# KiCad board CPU.kicad_pcb (continued)
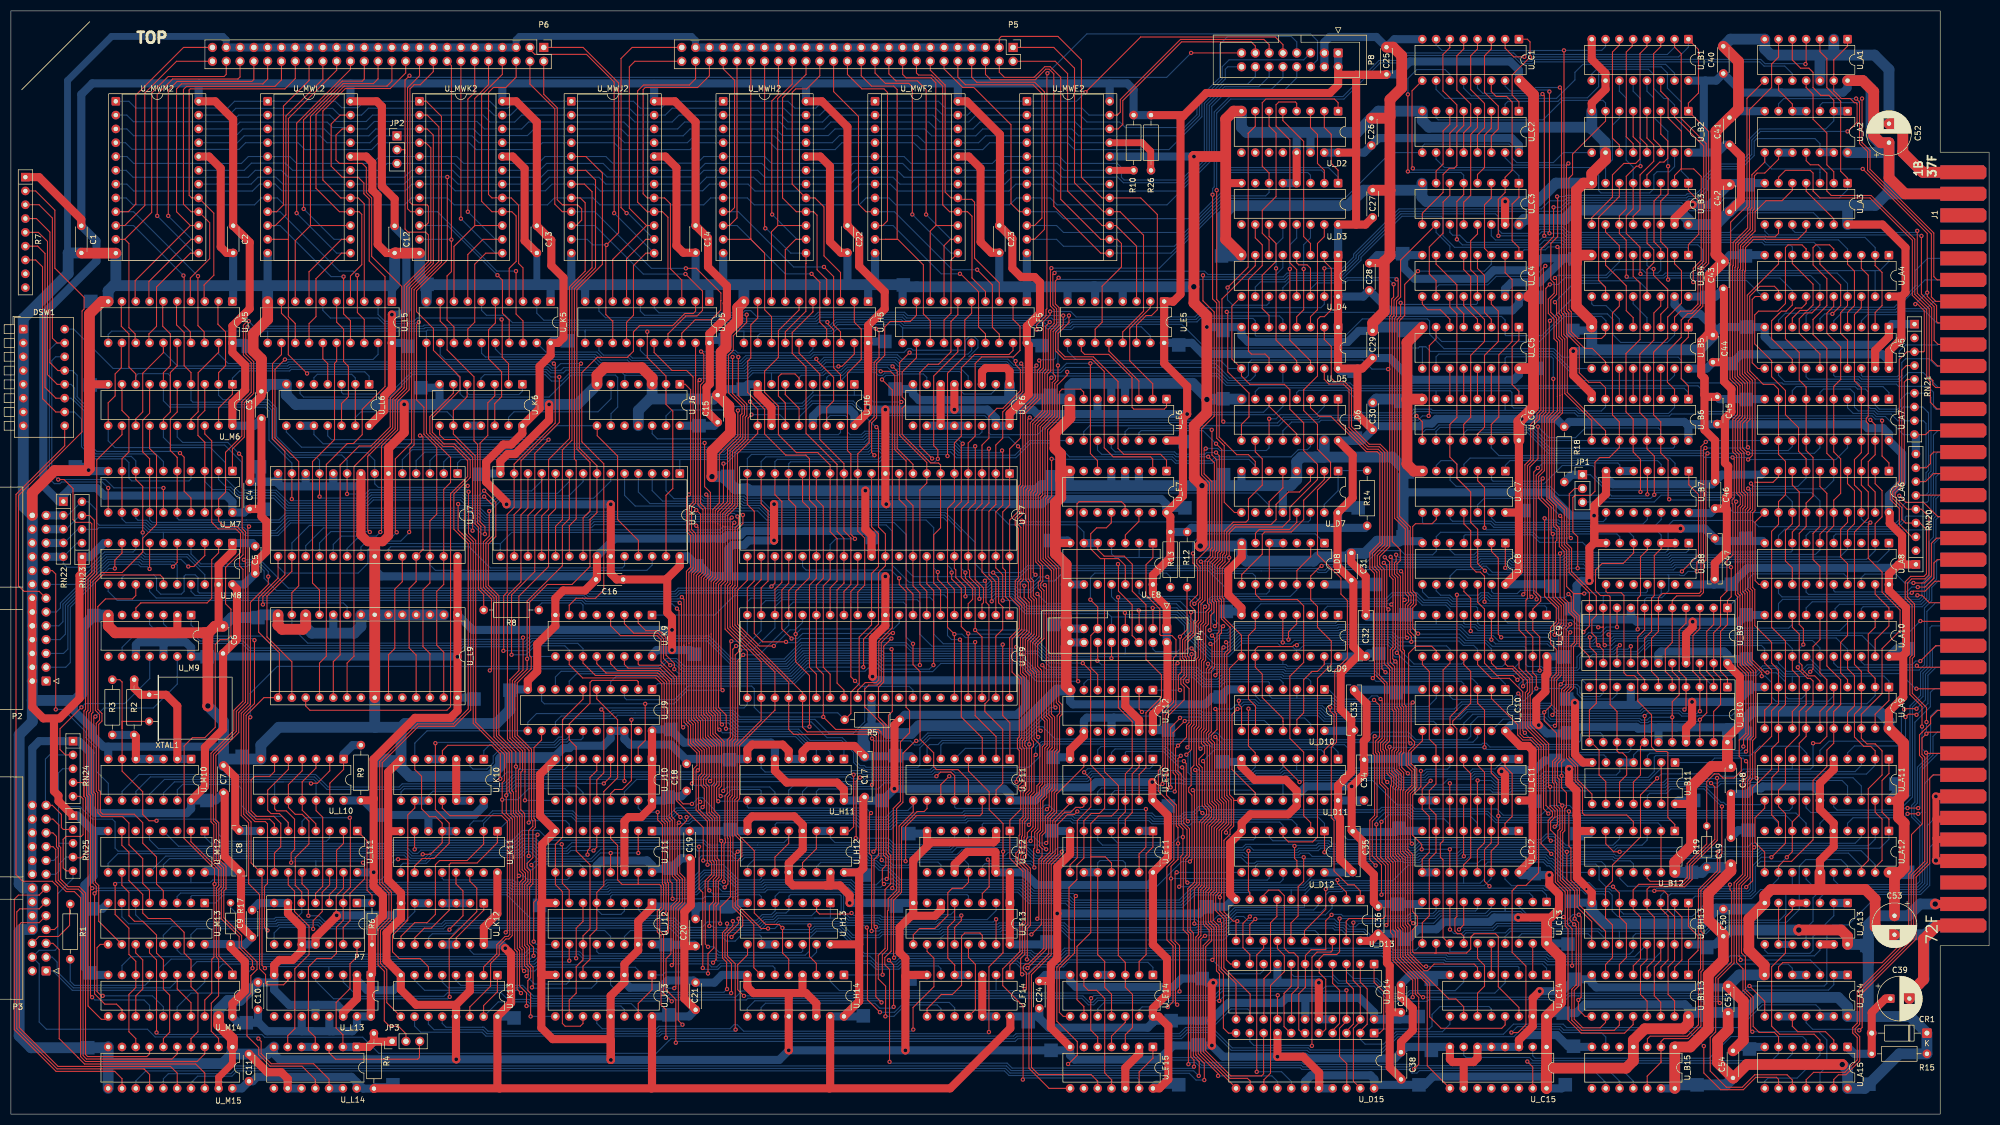
[diagram p0: board, top side]
## Routing (per net, layer and track width the routed paths; a pad name or vN(x,y) marks a point on that pad's centre or on a via; arc(x,y) is an arc through that point) (continued)
/ParitySelect: length 209
  Top w0.2: v1(162.51,28.78) 162.42,28.87 162.42,39.35 163.88,40.81 163.88,52.81 166.75,55.68 168.02,55.68 168.58,56.23 U_F11.10
  Top w1.5: 335.42,31.23 U_A13.12
  Bottom w0.2: 332.87,31.22 332.87,30.15 331.85,29.13 316.35,29.13 315.29,28.06 282.77,28.06 282.3,28.53 264.23,28.53 263.93,28.84 253.82,28.84 252.58,30.08 194.08,30.08 193.05,29.05 188.2,29.05 187.58,29.67 186.08,29.67 185.48,29.08 162.81,29.08 v1(162.51,28.78)
/PROM_Disable: length 307.7
  Top w0.2: U_BH13.14 303.58,28.29 302.39,27.1 302.39,21.77 303.58,20.58 U_BL13.14
  Bottom w0.2: U_M13.7 20.42,36.27 21.68,35.02 48.83,35.02 49.09,35.28 56.64,35.28 57.36,34.56 79.42,34.56 80.01,35.15 121.76,35.15 123.51,33.4 129.02,33.4 129.02,33.4 147.33,33.4 148.04,34.11 152.47,34.11 153.22,33.36 153.26,33.36 157.08,29.53 185.3,29.53 185.89,30.13 187.76,30.13 188.34,29.55 192.9,29.55 193.88,30.53 252.77,30.53 254.01,29.29 264.12,29.29 264.42,28.99 282.48,28.99 282.95,28.52 302.28,28.52 303.58,29.82 U_BH13.14
/PTR.Q_{0}: length 114.9
  Top w0.2: U_B8.3 303.67,104.07 302.39,102.79 302.39,95.43 301.88,94.92 301.88,88.82 300.61,87.55 U_B9.16 ; U_A10.11 322.7,82.99 323.98,81.71 323.98,75.62 322.7,74.34 U_A9.11
  Top w1.5: U_B8.2 U_B8.3
  Bottom w0.2: U_C7.8 259.74,108.87 259.97,108.64 272.2,108.64 272.87,107.97 284.21,107.97 284.51,107.66 302.55,107.66 303.67,106.55 U_B8.3 ; U_A10.11 322.7,85.65 322.11,86.25 301.59,86.25 300.61,85.27 U_B9.16
/PTR.Q_{1}: length 125.3
  Top w0.2: 327.79,70.78 327.79,74.09 329.06,75.36 329.06,80.44 327.79,81.71 327.79,83.99 ; U_B9.14 295.53,85.78 v1(296.05,86.29) ; U_C7.9 262.28,109.42 261.5,108.64 258.45,108.64 257.94,108.13 257.94,96.32 258.55,95.71 258.55,93.76 257.94,93.15 257.94,89.4 v1(258.92,88.42)
  Bottom w0.2: v1(296.05,86.29) 296,86.25 295.35,86.25 294.62,85.52 289.56,85.52 288.17,84.13 288.17,82.23 288.05,82.11 281.87,82.11 281.62,82.37 279.13,82.37 278.77,82.73 278.77,85.78 278.47,86.08 272.58,86.08 271.5,87.15 267.74,87.15 266.58,88.32 259.02,88.32 v1(258.92,88.42) ; 327.79,84.24 327.79,85.65 326.74,86.7 301.4,86.7 299.33,84.63 295.91,84.63 295.53,84.25 295.53,82.98
/PTR.Q_{2}: length 125.8
  Top w0.2: 332.87,83.99 332.87,81.2 334.14,79.93 334.14,75.36 332.87,74.09 332.87,70.78 ; U_B9.12 290.45,84.21 288.59,86.07 288.59,91.7 287.55,92.74 287.55,95.78 v1(289.49,95.78) 287.56,95.78 286.26,97.08 286.26,103.73 285.37,104.62 285.37,109.78 v1(285.07,110.08)
  Bottom w0.2: v1(285.07,110.08) 281.85,113.31 271.1,113.31 269.88,112.09 269.88,110.72 ; 332.87,84.24 332.87,85.78 331.49,87.15 301.21,87.15 299.15,85.09 295.48,85.09 295,84.61 291.07,84.61 290.45,84 U_B9.12 ; v1(289.49,95.78) 289.64,95.94 300.87,95.94 301.12,96.19 U_B8.11
/PTR.Q_{3}: length 129.2
  Top w0.2: v1(271.15,94.27) 271.15,98.98 270.39,99.75 269.61,99.75 268.61,100.75 268.61,107.37 267.36,108.62 U_C7.11 ; 292.99,89.71 292.99,89.59 v1(292.08,89.59) ; 292.99,89.71 292.99,86.55 v1(293.27,86.28) ; 292.99,89.71 U_B9.10 ; 337.95,82.85 337.94,82.86 U_A10.17 ; 337.95,82.85 337.95,81.97 339.22,80.7 339.22,75.11 337.94,73.83 337.94,70.78 ; 337.95,82.85 337.95,83.99
  Bottom w0.2: 303.67,96.84 303.67,95.81 303.33,95.48 293.3,95.48 292.99,95.17 U_B9.10 ; v1(292.08,89.59) 291.75,89.92 288.23,89.92 287.24,90.91 285.01,90.91 284.71,91.21 284.71,92.89 283.63,93.97 271.45,93.97 v1(271.15,94.27) ; 337.94,85.02 337.94,85.53 ; 337.94,85.02 337.94,84.5 ; 337.94,85.02 U_A10.17 337.94,85.53 ; 337.94,85.53 335.86,87.61 301.03,87.61 300.47,87.05 295.28,87.05 294.51,86.28 v1(293.27,86.28)
/PTR.Q_{4}: length 165
  Top w0.2: 343.02,78.4 343.02,80.18 343.03,80.19 341.76,81.46 341.76,88.32 343.02,89.58 343.02,91.61 ; 298.54,57.11 298.54,61.1 299.85,62.41 299.85,67.66 U_B10.16 v1(300.61,73.25) ; v1(283.65,73.46) 283.96,73.77 283.96,80.07 284.81,80.93 284.81,89.77 285.26,90.23 285.26,93.52 283.75,95.04 283.75,106.72 v1(283.71,106.76) 283.41,107.06 283.41,111.68 281.61,113.48 281.61,116.71 v1(281.87,116.97)
  Bottom w0.2: 296.04,105.08 296.04,106.22 295.51,106.76 283.71,106.76 v1(283.71,106.76) ; v1(281.87,116.97) 281.36,116.46 272.72,116.46 272.42,116.76 272.44,116.78 U_C7.2 ; v1(283.65,73.46) 283.83,73.27 300.6,73.27 v1(300.61,73.25) 301.14,73.78 306.88,73.78 307.43,73.24 310.37,73.24 310.46,73.33 316.65,73.33 318.84,75.52 341.54,75.52 343.03,77.01 343.03,78.4
/PTR.Q_{5}: length 160.6
  Top w0.2: U_C7.3 269.9,116.54 271.15,115.29 v1(271.15,107.89) ; U_B8.5 298.58,103.26 296.65,101.32 292.79,101.32 291.57,100.1 291.57,96.34 292.48,95.43 294.01,95.43 294.26,95.17 294.26,86.54 ; 295.53,67.74 295.53,74.09 294.26,75.36 294.26,86.54 ; 294.26,86.54 294.26,87.95 v1(293.98,88.24) ; 337.95,91.61 337.95,88.06 336.68,86.79 336.68,81.2 337.95,79.93 337.95,79.68 337.94,79.68 337.94,78.4 ; 296,57.11 296,61.1 297.31,62.41 297.31,65.71 296.55,66.47 295.91,66.47 295.53,66.85 U_B10.14
  Bottom w0.2: v1(271.15,107.89) 271.52,107.51 284.03,107.51 284.33,107.21 297.62,107.21 298.58,106.24 U_B8.5 ; v1(293.98,88.24) 294.15,88.41 299.9,88.41 300.46,88.97 336.52,88.97 337.94,90.39 337.94,91.86
/PTR.Q_{6}: length 137.1
  Top w0.2: v1(290.53,87.75) 290.53,85.95 291.72,84.76 291.72,75.62 290.45,74.35 290.45,68.76 292.23,66.98 292.23,62.41 293.46,61.18 293.46,57.11 ; v1(299.34,89.21) 299.34,94.92 299.85,95.43 299.85,102.54 301.12,103.81 U_B8.4 ; 332.87,78.4 332.87,79.69 331.91,80.64 330.76,80.64 329.57,81.84 329.57,82.6 329.06,83.11 329.06,88.32 327.79,89.59 327.79,91.61 ; U_C8.11 267.36,96.17 268.61,94.92 v1(268.61,88.89)
  Bottom w0.2: v1(268.61,88.89) 268.96,88.53 282.66,88.53 283.74,87.45 290.23,87.45 v1(290.53,87.75) 290.9,87.75 291.09,87.94 292.61,87.94 293.66,88.99 294.29,88.99 294.41,88.86 299,88.86 v1(299.34,89.21) 299.56,89.42 327.12,89.42 327.79,90.09 327.79,91.61
/PTR.Q_{7}: length 346.3
  Top w0.2: v1(285.06,103.17) 285.06,95.01 286.17,93.89 286.17,89.85 285.72,89.4 285.72,79.64 v1(285.16,79.09) 284.86,78.79 284.86,65.46 284.12,64.72 284.12,61.23 284.42,60.93 284.42,56.77 285.01,56.18 285.01,52.52 284.64,52.15 284.64,42.88 286.44,41.07 286.44,34.92 287.27,34.1 v1(287.27,27.31) ; v1(161.56,28.33) 162.43,27.46 v1(162.43,19.74)
  Bottom w0.2: v1(285.16,79.09) 285.21,79.04 288.17,79.04 288.67,78.54 288.67,77.53 289.36,76.84 292.38,76.84 292.99,77.45 U_B10.10 ; U_C8.5 264.82,103.83 264.8,103.81 265.68,102.92 269.2,102.92 269.82,103.54 276.2,103.54 276.87,102.87 284.76,102.87 v1(285.06,103.17) 285.36,103.47 290.28,103.47 290.88,102.87 304.78,102.87 305.25,103.34 308.27,103.34 308.75,103.81 U_B8.1 ; v1(161.56,28.33) 161.86,28.03 162.82,28.03 163.42,28.63 185.67,28.63 186.26,29.22 187.39,29.22 188.06,28.55 193.2,28.55 194.27,29.62 252.39,29.62 253.63,28.38 263.74,28.38 264.05,28.08 282.11,28.08 282.7,27.48 287.09,27.48 v1(287.27,27.31) 287.57,27.61 327.03,27.61 327.8,26.84 327.8,25.6 ; U_H14.10 138.05,19.6 138.84,20.4 158.98,20.4 159.88,19.5 162.19,19.5 v1(162.43,19.74)
  Bottom w1.5: U_A14.4 327.8,25.6
/PTR.~{Q_{7}}: length 284.7
  Top w0.2: v1(122.91,53.65) 122.62,53.35 122.62,44.19 123.55,43.25 123.55,39.07 122.36,37.88 122.36,23.48 v1(122.06,23.18) ; U_D12.4 234.09,51.08 235.07,50.1 239.54,50.1 240.41,50.98 240.41,80.19 242.95,82.73 242.95,87.05 240.41,89.59 240.41,93.4 239.14,94.67 239.17,94.69 U_D8.13 239.17,99.01 241.03,100.87 v1(241.18,100.87) ; JP1.2 287.73,115.11 286.74,114.12 286.74,108.57 286.74,108.56 286.74,106.29 v1(287.04,105.99)
  Bottom w0.2: U_J13.4 110.35,23.8 111.98,22.17 119.99,22.17 121,23.18 v1(122.06,23.18) ; v1(122.91,53.65) 123.24,53.65 123.44,53.44 124.84,53.44 125.45,54.06 155.42,54.06 156.66,52.83 161.74,52.83 162.97,54.06 175.59,54.06 175.97,54.44 195.11,54.44 195.53,54.03 197.39,54.03 209.36,54.03 209.96,53.43 215.96,53.43 216.25,53.13 216.87,53.13 217.47,53.73 233.47,53.73 234.09,53.11 U_D12.4 ; v1(241.18,100.87) 241.42,101.11 249.01,101.11 251.59,103.68 255.78,103.68 256.54,102.92 261.63,102.92 262.28,103.58 U_C8.6 262.28,106.27 263.07,107.06 280.08,107.06 281.13,106 287.03,106 v1(287.04,105.99)
/REG_MMIO: length 248.1
  Top w0.2: v1(188.99,48.36) 188.84,48.51 188.84,51.68 189.44,52.28 189.44,57.84 190.15,58.55 190.15,59.84 190.69,60.39 190.69,67.17 191.14,67.62 191.14,72.67 190.54,73.27 190.54,97.03 v1(190.24,97.33) ; U_D12.12 236.63,46.63 236.19,47.07 v1(236.19,49.35)
  Bottom w0.2: U_K9.1 129.5,91.83 133.1,95.43 140.72,95.43 141.32,96.03 180.09,96.03 180.69,96.62 184.7,96.62 185.3,96.02 187.67,96.02 188.98,97.33 v1(190.24,97.33) ; v1(188.99,48.36) 189.4,47.95 191.58,47.95 192.68,49.05 226.61,49.05 227.21,49.65 235.89,49.65 v1(236.19,49.35) 236.3,49.45 240.15,49.45 240.54,49.85 242.37,49.85 242.98,49.24 257.24,49.24 257.47,49.01 258.1,49.01 259.11,50.02 281.62,50.02 282.68,51.07 283.89,51.07 285.93,49.02 294.97,49.02 295.42,49.48 300.13,49.48 301.08,50.43 U_B12.3
/RTC_INT: length 231.4
  Top w0.2: v1(160.91,17.99) 160.95,18.03 160.95,23.55 159.6,24.9 159.6,29.23 160.85,30.47 160.85,41.33 161.86,42.34 161.9,42.38 161.9,47.6 161.47,48.02 161.47,73.38 162.18,74.09 162.18,85.42 v1(162.05,85.55)
  Bottom w0.2: v1(162.05,85.55) 161.87,85.73 145.55,85.73 142.67,82.84 132.35,82.84 128.13,87.06 120.82,87.06 120.79,87.08 95.98,87.08 94.9,86 83.27,86 82.58,85.31 43.83,85.31 42.54,86.6 34.63,86.6 33.31,87.92 22.49,87.92 20.47,85.89 U_M9.9 ; v1(160.91,17.99) 162.47,17.99 164.58,20.1 170.46,20.1 171.12,19.44 171.12,17.99
/RTC_INT_EN: length 172.8
  Top w0.2: v1(157.49,34.34) 157.61,34.22 157.61,21.04 v1(159.9,18.75)
  Bottom w0.2: U_F14.10 173.66,19.56 172.67,20.55 164.39,20.55 162.58,18.75 v1(159.9,18.75) ; v1(157.49,34.34) 157.11,34.72 153.79,34.72 153.03,35.48 141.25,35.48 140.68,34.91 139.01,34.91 137.96,33.85 128.83,33.85 128.83,33.85 123.7,33.85 121.95,35.6 79.82,35.6 79.24,35.01 57.55,35.01 56.83,35.74 48.9,35.74 48.64,35.47 24.17,35.47 22.97,36.68 U_M13.6
/SW_1: length 77.5
  Top w0.2: DSW1.13 8.65,136.81 7.19,138.28 7.19,162.28 4.69,164.78 2.67,164.78 ; v1(31.12,121.64) 31.88,120.87 31.88,114.61 33.15,113.34 33.15,111.43
  Bottom w0.2: v1(31.12,121.64) 30.94,121.64 30.64,121.94 15.8,121.94 14.36,123.38 14.36,129.84 12.2,132 12.2,135.94 11.32,136.81 DSW1.13
/SW_2: length 137.1
  Top w0.2: 28.06,111.43 28.06,115.21 v1(28.07,115.21) ; 13.44,58.5 13.44,74.19 13.74,74.49 13.74,98.6 14.9,99.76 14.9,108.6 14.61,108.89 11.94,108.89 11.43,109.4 11.43,115.11 9.78,116.76 v1(8.72,116.76) ; 13.44,58.5 13.44,61.01 RN24.4 ; 13.44,58.5 13.74,58.21 13.74,47.95 12.96,47.17 11.56,47.17
  Bottom w0.2: RN25.4 10.16,47.29 8.89,46.03 8.89,44.75 8.27,44.13 P3.15 ; DSW1.14 8.24,139.36 7.53,138.64 7.53,117.95 v1(8.72,116.76) 17.42,116.76 18.95,115.24 28.04,115.24 v1(28.07,115.21)
/SW_3: length 74.1
  Top w0.2: v1(17.91,115.21) 17.91,115.21 U_M7.11 ; R7.3 5.2,167.32 7.64,164.88 7.64,142.78 8.53,141.89 DSW1.15
  Bottom w0.2: v1(17.91,115.21) 16.81,116.31 9.33,116.31 9.03,116.01 8,116.01 7.08,116.93 7.08,140.6 8.37,141.89 DSW1.15
/SW_H: length 315.3
  Top w0.2: U_M7.8 22.98,116.77 24.26,115.49 24.26,107.03 v1(24.25,107.02) ; v1(186.47,97.23) 186.44,97.2 186.44,95.08 187.37,94.15 187.37,88.65 186.2,87.49 186.2,81.27 186.91,80.56 186.91,68.85 186.57,68.5 186.57,67.82 186.91,67.47 186.91,59.81 186.26,59.15 186.26,54.75 185.66,54.15 185.66,51.43 185.51,51.28 185.51,48.59 184.91,48 184.91,46.62 186.67,44.86 186.67,35.1 186.11,34.54 186.11,29.7 183.82,27.4 U_F14.1 ; R7.6 4.94,159.7 6.28,158.37 6.28,133.73 8.27,131.74 DSW1.11
  Bottom w0.2: DSW1.11 11.07,131.74 11.56,131.24 11.67,131.24 13.45,129.46 13.45,123 15.42,121.03 22.16,121.03 22.98,120.2 U_M7.8 ; v1(186.47,97.23) 186.17,97.53 180.31,97.53 179.71,96.93 140.87,96.93 140.27,96.34 122.96,96.34 122.34,95.72 106.43,95.72 105.81,96.34 48.86,96.34 46.6,98.6 46.6,99.95 45.5,101.05 43.7,101.05 43.41,100.76 34.81,100.76 32.58,102.99 24.82,102.99 24.26,103.56 24.26,107.02 v1(24.25,107.02)
/SW_I: length 67.8
  Top w0.2: R7.7 4.56,157.17 5.83,155.9 5.83,131.64 8.27,129.19 DSW1.10
  Bottom w0.2: U_M7.4 33.15,116.89 32.77,116.51 22.23,116.51 21.72,117.02 21.72,119.89 21.03,120.57 15.24,120.57 13,122.81 13,127.9 11.7,129.19 DSW1.10
/SW_O: length 104.6
  Top w0.2: DSW1.9 9.91,122.99 0.95,114.03 0.95,44.07 2.16,42.85 7.62,42.85 8.06,42.41 8.06,42.41 8.62,41.85 8.62,34.58 8.01,33.97 P3.7
/SW_R: length 63.1
  Top w0.2: R7.5 5.07,162.25 6.73,160.58 6.73,136.07 8.53,134.28 DSW1.12
  Bottom w0.2: DSW1.12 11.07,134.28 11.74,133.6 11.74,131.82 13.91,129.65 13.91,123.19 15.61,121.48 26.65,121.48 28.06,120.07 28.06,119.05
/Sys.5MHz: length 37.7
  Bottom w0.2: 357.22,54.53 354.08,54.53 352.61,53.06 352.61,42.28 351.2,40.87 333.94,40.87 332.88,39.81 U_A13.3
/Sys.Reset: length 564.7
  Top w0.2: v1(198.63,138.14) 198.63,121.54 199.94,120.23 U_E7.6 ; v1(253.41,137.08) 253.71,137.08 ; 253.71,137.08 253.71,146.79 254.05,147.14 254.05,149.97 254.43,150.34 v1(254.43,152.69) ; 253.71,137.08 253.71,104.45 251.87,102.61 251.87,101.11 252.71,100.27 252.71,82.86 253.68,81.9 253.68,68.64 252.93,67.89 252.93,67.27 253.19,67 253.19,62.69 254.01,61.87 254.01,60.57 253.85,60.42 253.85,47.39 254.76,46.48 254.76,34.13 255.22,33.68 255.22,28.65 258.86,25 258.86,22.3 259.65,21.51 v1(259.85,21.51) ; U_D4.14 239.13,155.64 238.51,156.26 236.98,156.26 236.59,156.66 U_D4.4 ; 322.71,17.96 322.71,20.77 v1(319.91,23.58)
  Bottom w0.2: DSW1.16 11.58,144.44 18.81,137.2 51.11,137.2 51.4,137.49 98.81,137.49 99.45,136.85 101.2,136.85 101.7,137.35 112.9,137.35 113.4,136.85 131.63,136.85 131.73,136.75 134.97,136.75 135.98,137.76 148.77,137.76 149.8,138.79 162.77,138.79 163.55,138.01 183.08,138.01 184.18,136.9 192.99,136.9 194.24,138.15 198.62,138.15 v1(198.63,138.14) 198.65,138.16 221.56,138.16 224.27,135.45 227.22,135.45 227.71,135.94 227.71,138.23 228.25,138.76 248.77,138.76 250.45,137.08 v1(253.41,137.08) ; v1(259.85,21.51) 259.85,21.51 285.92,21.51 286.63,22.22 288.61,22.22 288.61,22.22 311.34,22.22 311.9,21.66 317.77,21.66 319.68,23.58 v1(319.91,23.58) 333.66,23.58 334.14,24.05 334.14,33.71 335.25,34.81 338.04,34.81 343.65,40.42 351.39,40.42 353.06,42.09 353.06,49.07 354.53,50.54 J1.32 ; U_D4.14 239.13,151.8 240.27,152.94 245.51,152.94 246.02,153.45 253.67,153.45 v1(254.43,152.69)
/Sys.~{A_{0}}: length 39.7
  Bottom w0.2: J1.5 352.67,157.46 350.52,155.31 350.52,152.45 346.53,148.46 331.16,148.46 330.07,147.37 326.53,147.37 325.25,146.09 U_A5.9
/Sys.~{A_{1}}: length 31.8
  Bottom w0.2: J1.6 352.21,153.5 346.72,148.01 331.35,148.01 330.32,146.99 U_A5.7
/Sys.~{A_{2}}: length 24.5
  Bottom w0.2: U_A5.5 335.4,145.97 336.99,147.55 346.91,147.55 347.56,148.21 352.5,148.21 353.83,149.54 J1.7
/Sys.~{A_{3}}: length 17.9
  Bottom w0.2: U_A5.3 340.49,145.72 340.49,145.72 340.49,145.97 341.61,147.1 347.1,147.1 347.75,147.75 352.17,147.75 354.35,145.58 355.62,145.58
/Sys.~{A_{4}}: length 23.1
  Bottom w0.2: U_A5.18 340.49,135.95 340.74,135.69 347.09,135.69 347.48,136.07 347.48,140.39 348.62,141.53 354.46,141.53 354.59,141.66 357.21,141.66
/Sys.~{A_{5}}: length 26.8
  Bottom w0.2: 335.4,137.09 335.4,135.95 335.66,135.69 340.1,135.69 340.56,135.23 347.28,135.23 347.93,135.88 347.93,138.3 348.62,138.99 352.94,138.99 354.27,137.66 J1.10
/Sys.~{A_{6}}: length 29.5
  Bottom w0.2: 356.46,133.7 354.63,133.7 351.88,136.45 349.14,136.45 347.47,134.78 340.37,134.78 339.91,135.23 330.78,135.23 330.32,135.69 330.32,136.83
/Sys.~{A_{7}}: length 37.3
  Bottom w0.2: 325.25,137.09 325.25,135.95 326.41,134.78 339.73,134.78 340.18,134.32 346.93,134.32 347.35,133.91 352.68,133.91 353.76,132.83 353.76,130.16 354.21,129.72 357.23,129.72
/Sys.~{A_{8}}: length 49.5
  Bottom w0.2: J1.13 354.59,125.78 353.75,124.95 353.75,118.1 353.3,117.65 353.3,114.23 352.84,113.77 352.84,112.86 352.56,112.57 348.67,112.57 348.11,112.01 348.11,109.41 347.11,108.4 347.1,108.4 346.34,107.64 326.41,107.64 325.25,106.47 325.25,105.07
/Sys.~{A_{9}}: length 40.8
  Bottom w0.2: 330.32,105.07 330.32,106.47 331.04,107.19 346.52,107.19 347.29,107.95 347.29,107.95 348.56,109.22 348.56,109.85 348.75,110.03 352.56,110.03 353.3,110.78 353.3,113.58 353.75,114.04 353.75,117.46 354.21,117.91 354.21,121.46 354.56,121.82 J1.14
/Sys.~{A_{10}}: length 32.9
  Bottom w0.2: J1.15 354.79,117.86 354.21,117.27 354.21,113.85 353.75,113.4 353.75,110.23 353.3,109.77 353.3,107.86 352.94,107.49 347.48,107.49 346.71,106.73 335.79,106.73 335.4,106.34 335.4,105.07
/Sys.~{APRE}: length 59.3
  Top w0.2: 330.33,176.93 330.33,175.43 331.09,174.68 332.62,174.68 334.14,173.15 334.14,169.85 334.96,169.03 342.28,169.03 350.32,160.99 350.32,150.84 352.97,148.2 352.97,135.66 353.64,134.99 353.64,134.22 354.16,133.7 355.18,133.7
/Sys.~{CA_{15}}: length 40.9
  Bottom w0.2: 356.08,98.06 354.58,98.06 353.44,96.92 353.44,94.48 352.1,93.14 352.1,82.68 351.12,81.7 333.13,81.7 330.59,84.24
/Sys.~{CPL_{0}}: length 25.9
  Top w0.2: J1.54 354.34,105.98 353.37,105.01 353.37,99.04 352.07,97.73 v1(350.07,97.73)
  Bottom w0.2: U_A8.18 340.49,98.72 341.12,99.36 346.84,99.36 348.47,97.73 v1(350.07,97.73)
/Sys.~{CPL_{1}}: length 27.2
  Top w0.2: J1.55 354.45,102.02 353.82,101.4 353.82,98.61 352.2,96.98 v1(350.87,96.98)
  Bottom w0.2: v1(350.87,96.98) 349.75,96.98 348.85,96.08 335.64,96.08 335.4,96.32 335.4,97.45
/Sys.~{CPL_{2}}: length 29.5
  Top w0.2: v1(349.76,95.93) 350.06,96.23 352.21,96.23 354.04,98.06 J1.56
  Bottom w0.2: v1(349.76,95.93) 349.5,95.93 349.2,95.63 330.76,95.63 330.32,96.07 330.32,97.45
/Sys.~{CPL_{3}}: length 34.7
  Top w0.2: v1(350.8,95.47) 351.64,95.47 353.01,94.1 J1.57
  Bottom w0.2: v1(350.8,95.47) 350.8,95.33 350.65,95.17 325.88,95.17 325.25,95.81 325.25,97.45
/Sys.~{D_{0}}: length 55.7
  Bottom w0.2: U_A11.16 335.4,56.57 336.03,55.95 346.73,55.95 349.43,58.65 349.43,75.1 351.37,77.04 351.37,81.31 352.56,82.5 352.56,92.51 354.15,94.1 355.93,94.1
/Sys.~{D_{1}}: length 58.4
  Bottom w0.2: 330.32,57.18 330.32,56.37 331.2,55.5 347.04,55.5 349.89,58.34 349.89,74.91 351.83,76.85 351.83,81.13 353.12,82.42 353.12,89.51 353.44,89.84 356.95,89.84
/Sys.~{D_{2}}: length 41.5
  Top w0.2: v1(348.36,74.47) 348.49,74.6 v1(350.64,74.6)
  Bottom w0.2: J1.23 354.23,86.18 353.57,85.52 353.57,82.23 352.28,80.94 352.28,76.24 v1(350.64,74.6) ; 332.87,64.8 332.87,66.92 334.56,68.62 346.45,68.62 347.86,70.03 347.86,73.84 347.91,73.84 348.37,74.3 348.37,74.47 v1(348.36,74.47)
/Sys.~{D_{3}}: length 32.3
  Top w0.2: v1(348.62,73.08) 349.13,73.58 350.44,73.58 350.54,73.48 v1(350.64,73.48)
  Bottom w0.2: v1(348.62,73.08) 348.62,69.27 347.09,67.74 339.22,67.74 337.94,66.47 U_A11.4 ; v1(350.64,73.48) 352.74,75.57 352.74,80.75 354.21,82.22 J1.24
/Sys.~{D_{4}}: length 58.3
  Bottom w0.2: J1.25 353.84,78.26 353.19,77.61 353.19,74.96 350.34,72.11 350.34,57.41 349.74,56.81 349.74,54.68 351.25,53.17 351.25,42.84 350.64,42.23 336.28,42.23 335.4,43.11 335.4,43.76
/Sys.~{D_{5}}: length 59.8
  Bottom w0.2: J1.26 354.29,74.3 353.23,73.24 353.23,70.32 353.21,70.31 353.21,66.25 350.8,63.84 350.8,57.23 350.19,56.62 350.19,54.86 351.7,53.36 351.7,42.65 350.83,41.78 331.78,41.78 330.32,43.24 330.32,43.76
/Sys.~{D_{6}}: length 39.6
  Top w0.2: v1(350.95,56.31) v1(348.99,56.31)
  Bottom w0.2: v1(350.95,56.31) 351.25,56.61 351.25,63.65 353.67,66.07 353.67,69.49 354.52,70.34 J1.27 ; 332.87,51.38 332.87,53.52 334.39,55.04 347.23,55.04 348.5,56.31 v1(348.99,56.31)
/Sys.~{D_{7}}: length 31.3
  Top w0.2: v1(348.99,55.26) v1(350.95,55.26)
  Bottom w0.2: v1(348.99,55.26) 348.26,54.53 338.97,54.53 337.94,53.51 337.94,51.38 ; v1(350.95,55.26) 351.25,55.26 351.7,55.71 351.7,63.46 354.62,66.38 J1.28
/Sys.~{DRDY}: length 284.1
  Top w0.2: RN20.3 349.76,106.22 348.75,107.24 348.75,107.28 347.48,108.55 347.48,111.43 345.81,113.1 345.81,114.73 347.48,116.4 347.48,138.86 348.89,140.27 351.94,140.27 352.06,140.4 352.06,147.82 350.84,149.04 v1(350.42,149.04) ; J1.44 354.6,145.58 354.33,145.85 354.33,148.76 352.61,150.48 v1(352.61,151.16) 352.61,162.05 v1(340.74,173.91) ; 322.71,176.93 322.71,175.19 321.13,173.61 321.12,173.61 320.35,172.83 320.35,166.74 320.02,166.42 320.02,162.87 317.35,160.2 317.35,155.92 317.23,155.8 317.23,135.65 318.61,134.27 318.61,128.36 317.74,127.49 317.74,122.23 318.45,121.52 318.45,114.61 319.12,113.95 319.12,111.8 318.68,111.36 318.68,96.16 319.07,95.77 319.07,83.05 320.61,81.51 320.61,69.5 320.02,68.92 320.02,61.9 319.55,61.43 319.55,43.77 317.97,42.19 317.97,41.54 317.98,41.53 317.98,29.03 318.28,28.73 v1(318.28,28.36)
  Bottom w0.2: 322.71,176.93 322.71,175.18 323.98,173.91 332.87,173.91 ; 332.87,173.91 332.87,173.28 332.88,173.27 U_A3.3 ; 332.87,173.91 v1(340.74,173.91) ; v1(318.28,28.36) 331.1,28.36 332.88,26.59 U_A14.3 ; v1(350.42,149.04) 352.53,151.16 v1(352.61,151.16)
/Sys.~{INR0}: length 41.1
  Top w0.2: J1.52 350.33,113.9
  Bottom w0.2: RN20.6 352.3,113.84 352.39,113.93 352.39,113.96 352.84,114.41 352.84,117.84 353.3,118.29 353.3,131.9 352.54,132.65 348.89,132.65 347.73,131.5 347.73,130.23 347.22,129.72 343.79,129.72 343.02,130.49 U_A7.2
/Sys.~{INR1}: length 26.2
  Top w0.2: J1.49 353.06,125.78 352.32,125.03 350.41,125.03
  Bottom w0.2: 337.94,130.99 337.94,129.98 338.99,128.94 342.65,128.94 343.23,128.36 344.9,128.36 348.22,125.03 350.25,125.03
  Bottom w1.5: RN20.9 350.52,124.77 350.27,125.02
/Sys.~{INR2}: length 43.8
  Top w0.2: RN20.8 352.43,118.92 353.19,119.69 353.19,121.21 353.8,121.82 J1.50
  Bottom w0.2: RN20.8 352.05,118.92 352.39,119.27 352.39,127.09 351.9,127.57 347.21,127.57 345.97,128.81 343.42,128.81 342.83,129.39 339.93,129.39 339.22,130.1 339.22,132.64 338.44,133.42 333.52,133.42 332.87,132.76 U_A7.6
/Sys.~{INR3}: length 53
  Top w0.2: J1.51 353.78,117.86 352.3,116.38 RN20.7
  Bottom w0.2: RN20.7 351.92,116.38 352.39,116.85 352.39,118.02 352.84,118.48 352.84,129.04 352.74,129.15 352.74,129.16 351.78,130.11 348.26,130.11 347.41,129.26 343.6,129.26 343.02,129.84 342.14,129.84 341.76,130.23 341.76,132.89 341.24,133.42 339.8,133.42 339.35,133.87 328.51,133.87 327.79,133.14 U_A7.8
/Sys.~{INTACK}: length 67.7
  Top w0.2: v1(340.11,15.42) 340.64,15.94 340.64,22.27 350.57,32.2 350.57,43.62 353.06,46.12 353.06,61.77 353.71,62.42 J1.65
  Bottom w0.2: v1(340.11,15.42) 339.91,15.62 331.53,15.62 330.33,16.81 U_A14.11
/Sys.~{INTREQ}: length 160
  Top w0.2: U_A15.11 330.33,6.33 331.7,7.69 337.46,7.69 339.73,9.96 339.73,14.09 338.89,14.93 338.89,15.91 339.73,16.75 339.73,22.65 349.66,32.58 349.66,44 352.15,46.5 352.15,65.68 351.64,66.19 351.64,69.18 v1(352.46,70) 352.74,70.28 357.19,70.28 ; v1(352.47,72.14) 352.47,74.81 349.87,77.42 349.87,83.86 350.27,84.26 350.27,93.86 349.01,95.12 349.01,97.74 349.76,98.49 352.18,98.49 352.92,99.23 352.92,109.92 351.54,111.3 RN20.5 348.89,111.3 346.71,113.48 346.71,114.35 348.38,116.02 348.38,134.69 348.89,135.19 350.13,135.19
  Bottom w0.2: v1(352.46,70) 352.47,70.01 v1(352.47,72.14)
/Sys.~{MemFault}: length 157.6
  Top w0.2: v1(351.65,71.32) 351.65,74.99 349.41,77.23 349.41,84.04 349.81,84.45 349.81,93.67 348.55,94.93 348.55,97.93 349.57,98.94 351.99,98.94 352.46,99.41 352.46,107.58 351.29,108.76 RN20.4 348.62,108.76 347.93,109.45 347.93,111.62 346.26,113.29 346.26,114.54 347.93,116.21 347.93,136.9 348.76,137.73 350.13,137.73 ; 335.42,5.26 335.42,6.38 336.27,7.24 337.65,7.24 340.18,9.78 340.18,14.28 339.35,15.11 339.35,15.72 340.18,16.56 340.18,22.46 350.11,32.39 350.11,43.81 352.61,46.31 352.61,66.29 v1(352.4,66.5) 352.52,66.38 J1.64
  Bottom w0.2: v1(351.65,71.32) 351.65,67.25 v1(352.4,66.5)
/Sys.~{PA_{11}}: length 51.4
  Bottom w0.2: J1.16 354.9,113.9 354.21,113.21 354.21,110.04 353.75,109.59 353.75,106.16 352.97,105.38 352.97,99.02 351.63,97.68 351.63,95.23 351.11,94.72 326.02,94.72 325.25,93.95 U_A10.9
/Sys.~{PA_{12}}: length 42
  Bottom w0.2: 357.22,109.91 354.71,109.91 354.21,109.4 354.21,105.98 353.43,105.2 353.43,98.83 352.08,97.49 352.08,95.05 351.3,94.27 331.45,94.27 330.33,93.14 330.33,92.11
/Sys.~{PA_{13}}: length 33.3
  Bottom w0.2: 335.66,91.86 335.66,93.01 336.46,93.81 351.49,93.81 352.54,94.86 352.54,97.3 353.88,98.64 353.88,105.01 354.85,105.98 J1.18
/Sys.~{PA_{14}}: length 25
  Bottom w0.2: J1.19 354.7,102.02 354.33,101.65 354.33,98.45 352.99,97.11 352.99,94.67 351.68,93.36 340.83,93.36 340.49,93.01 U_A10.3
/Sys.~{PA_{15}}: length 20.4
  Top w0.2: v1(351.35,83.36) 354.16,86.18 J1.59
  Bottom w0.2: 340.49,83.24 341.05,82.67 349.79,82.67 350.48,83.36 v1(351.35,83.36) ; 340.49,83.24 340.49,84.24 ; 340.49,83.24 U_A10.18
/Sys.~{PA_{16}}: length 23.4
  Top w0.2: J1.60 350.99,82.22 v1(350.69,82.51)
  Bottom w0.2: 335.4,83.99 335.4,82.99 336.17,82.22 350.4,82.22 v1(350.69,82.51)
/Sys.~{PA_{17}}: length 36
  Top w0.2: J1.61 350.64,78.26 v1(350.62,78.28)
  Bottom w0.2: 325.25,83.99 325.25,82.98 326.77,81.46 329.31,81.46 330.52,82.67 331.52,82.67 333.14,81.06 347.68,81.06 350.46,78.28 v1(350.62,78.28)
/Sys.~{ParityTest}: length 53.1
  Bottom w0.2: 355.22,62.41 353.7,62.41 352.16,60.87 352.16,55.53 352.15,55.52 352.15,42.46 351.02,41.33 333.12,41.33 331.6,39.8 331.6,35.48 330.33,34.21 330.33,32.18 ; U_A13.11 330.33,32.44
/Sys.~{PTR7_oc}: length 74.7
  Top w0.2: J1.62 354.54,74.3 353.23,72.99 353.23,71.83 352.15,70.75 352.15,70.75 351.7,70.31 351.69,70.31 351.19,69.8 351.19,66 351.7,65.49 351.7,53.43 349.72,51.44 349.72,44.7 349.2,44.19 349.2,32.77 344.3,27.86 326.01,27.86 325.25,27.11 U_A14.6
/Sys.~{RA_{11}}: length 102.5
  Top w0.2: v1(274.22,87.74) 273.69,88.27 273.69,102.29 272.44,103.54 U_C8.2 ; 356.71,90.68 351.4,90.68 v1(351.35,90.73)